# Altium PCB Brake Module B3 Sample.PcbDoc (part 2 of 2)
Units mm, origin at the board's own origin, x right, y up, seen from the top; angles counter-clockwise.
Board outline 75.57 x 84.84 mm, 4 copper layers (Top Layer, Int1 (PWR), Int2 (GND), Bottom Layer), stack 1.369 mm thick; 116 components, 86 nets, 453 pads, 299 vias.
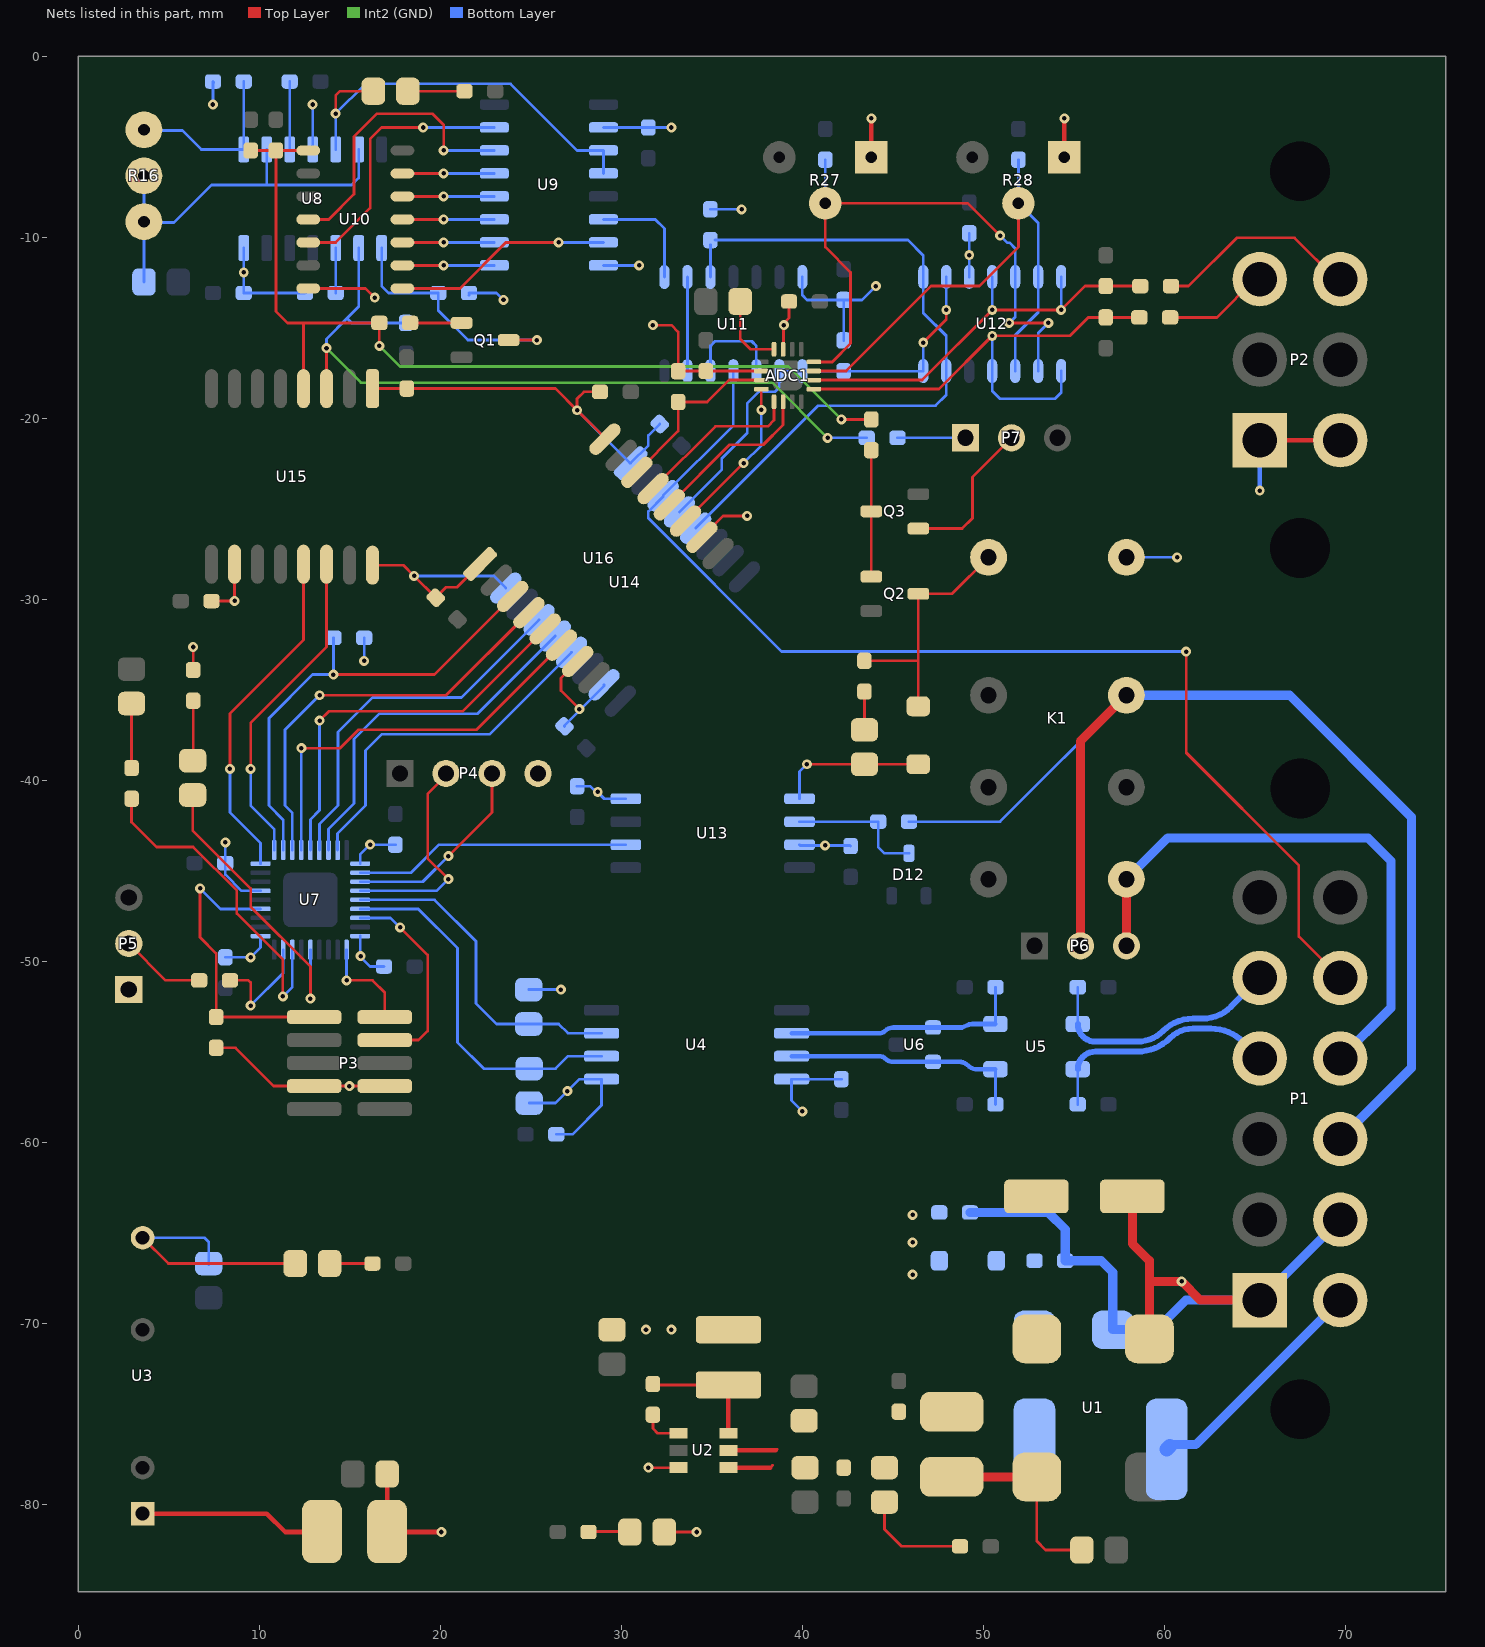
[diagram p4: the nets of this part, all layers, seen from the top]

## Via types
v1: diameter 0.55, hole 0.25, Top Layer to Bottom Layer, 299 vias

## Nets (pads, with @x,y where several pads share a name; then routed paths per layer and width w, separated by ;. In a path a pad name is that pad's centre, name@x,y a point inside that pad or via, vN(x,y) a via of type N, cw(c..) or ccw(c..) an arc to the next point about the centre after c; other vN are vias at no path point) (continued)
3V3: C16.2 C22.2 C23.2 C24.2 C25.2 C26.2 C43.2 C44.2 C46.2 C49.2 D5.A P3.7 P3.8 P4.4 P5.1 R6.2 R9.2 R10.2 R11.2 R34.2 U3.7 U4.1 U7.1 U7.6 U7.19 U7.27 U13.8 U14.10 U14.16 U15.10 U15.16 U16.1 U16.7 | length 75.6
  Top Layer w0.152: U3.7@3.556,-65.278 4.979,-66.701 D5.A@11.992,-66.701 ; R6.2@6.35,-33.909 v1(6.35,-32.639) ; C44.2@7.366,-30.099 7.368,-30.097 8.638,-30.097 v1(8.64,-30.095) 8.638,-30.093 8.638,-28.068 U15.10@8.636,-28.066 ; R11.2@7.62,-54.786 8.685,-54.786 10.795,-56.896 P3.7@13.036,-56.896 v1(14.986,-56.896) P3.8@16.936,-56.896 ; U15.16@16.256,-28.117 17.957,-28.117 v1(18.554,-28.714) C49.2@19.753,-29.913 20.329,-29.337 20.919,-29.337 U16.1@22.204,-28.052 ; U16.7@27.593,-33.44 26.67,-34.362 26.67,-35.052 v1(27.686,-36.068)
  Bottom Layer w0.152: U3.7@3.556,-65.278 6.981,-65.278 7.209,-65.506 C26.2@7.209,-66.749 ; C23.2@8.128,-49.784 v1(9.525,-49.784) 10.077,-49.232 U7.1@10.077,-48.609 ; v1(8.128,-43.434) 8.128,-45.212 9.025,-46.109 U7.6@10.077,-46.109 ; U7.27@15.577,-48.609 15.577,-49.74 16.129,-50.292 C25.2@16.891,-50.292 ; U7.19@15.577,-44.609 15.577,-44.113 v1(16.129,-43.561) C22.2@17.526,-43.561 ; v1(15.797,-33.401) R34.2@15.797,-32.131 ; v1(18.554,-28.714) 22.961,-28.714 U14.16@23.626,-29.379 ; R9.2@24.889,-51.565 R9.2@24.892,-51.567 v1(26.665,-51.567) ; R10.2@24.918,-57.834 26.367,-57.834 v1(27.027,-57.174) 27.686,-56.515 U4.1@28.913,-56.515 28.913,-57.955 27.305,-59.563 C16.2@26.416,-59.563 ; C46.2@26.865,-37.025 26.865,-36.971 29.05,-34.785 U14.10@29.05,-34.731 ; C43.2@27.559,-40.337 28.294,-40.337 28.597,-40.64 v1(28.702,-40.64) 28.702,-40.659 29.064,-41.021 U13.8@30.252,-41.021
  other v1: 15.601,-49.716
5kW: P1.8 U11.4 U14.3 | length 64.4
  Top Layer w0.152: v1(61.214,-32.893) 61.214,-38.481 67.437,-44.704 67.437,-48.631 P1.8@69.728,-50.922
  Bottom Layer w0.152: U11.4@36.195,-17.399 36.195,-20.402 U14.3@32.319,-24.278 32.319,-24.336 31.496,-25.159 31.496,-25.527 38.862,-32.893 v1(61.214,-32.893)
5V: ADC1.7 ADC1.10 C12.2 C15.2 C21.2 C28.2 C33.2 C34.2 C36.2 C37.2 C38.2 C42.2 C45.2 C47.2 C48.2 D4.A D10.A D11.K K1.16 L2.1 L3.2 P2.1 P2.6 R15.2 R17.2 R18.2 R23.2 R24.2 R25.2 R27.1 R28.1 U2.3 U4.8 U8.4 U8.14 U9.10 U9.16 U10.14 U11.14 U12.3 U13.1 U13.3 U14.1 U15.1 U16.10 U16.16 | length 110.1
  Top Layer w0.152: U10.14@12.707,-12.827 15.875,-12.827 v1(16.383,-13.335) ; U15.1@16.256,-18.364 C45.2@18.161,-18.364 26.365,-18.364 v1(27.559,-19.558) ; L3.2@17.04,-81.534 L3.2@17.067,-81.507 ; C48.2@28.829,-18.542 27.94,-18.542 27.559,-18.923 v1(27.559,-19.558) ; U16.16@29.101,-21.155 29.101,-21.1 v1(27.559,-19.558) ; v1(31.496,-77.978) U2.3@33.169,-77.978 ; v1(31.75,-14.859) 32.766,-14.859 33.147,-15.24 R23.2@33.147,-17.399 33.151,-17.395 34.672,-17.395 C33.2@34.676,-17.391 ADC1.10@37.74,-17.391 ; D4.A@32.38,-81.534 v1(34.163,-81.534) ; U16.10@34.453,-26.579 35.632,-25.4 v1(36.957,-25.4) ; ADC1.7@38.94,-16.191 38.965,-16.166 38.965,-14.883 v1(38.989,-14.859) 38.989,-14.751 39.272,-14.468 C34.2@39.272,-13.55 ; v1(40.259,-39.116) D10.A@43.434,-39.116 D11.K@46.355,-39.116
  Top Layer w0.254: L3.2@17.04,-81.534 v1(20.066,-81.534) ; L3.2@17.067,-81.507 C21.2@17.067,-78.333 ; R27.1@43.815,-5.588 v1(43.815,-3.429) ; R28.1@54.483,-5.588 v1(54.483,-3.429) ; P2.1@65.278,-21.214 P2.6@69.474,-21.214
  Bottom Layer w0.152: v1(7.444,-2.667) R15.2@7.444,-1.446 ; R15.2@7.444,-1.397 R15.2@7.493,-1.446 ; U8.14@9.144,-10.599 v1(9.144,-11.938) C28.2@9.144,-13.081 R17.2@12.524,-13.081 ; U8.4@12.954,-5.149 v1(12.954,-2.667) ; R18.2@21.58,-13.208 R18.2@21.59,-13.208 ; R18.2@21.59,-13.081 23.114,-13.081 v1(23.495,-13.462) ; v1(27.559,-19.558) 30.483,-22.482 U14.1@30.523,-22.482 31.496,-21.509 31.496,-20.955 C47.2@32.131,-20.32 ; U9.16@29.017,-11.557 v1(30.988,-11.557) ; U9.10@29.017,-3.937 C36.2@31.496,-3.937 v1(32.766,-3.937) ; R25.2@34.925,-8.46 v1(36.654,-8.46) ; U13.3@39.852,-43.561 39.891,-43.6 v1(41.262,-43.6) 42.633,-43.6 C42.2@42.672,-43.639 ; U13.1@39.852,-41.021 39.852,-39.523 v1(40.259,-39.116) ; v1(40.005,-58.293) 39.413,-57.701 U4.8@39.413,-56.515 C15.2@42.164,-56.515 ; U11.14@40.005,-12.199 40.005,-13.208 40.259,-13.462 C38.2@42.291,-13.462 ; R24.2@42.291,-15.699 C38.2@42.291,-13.462 ; v1(44.069,-12.7) 43.307,-13.462 C38.2@42.291,-13.462 ; U12.3@49.227,-12.192 C37.2@49.227,-9.779 ; K1.16@57.912,-27.686 v1(60.706,-27.686)
  Bottom Layer w0.254: P2.1@65.024,-21.468 P2.1@65.278,-21.214 ; v1(65.278,-24.003) P2.1@65.278,-21.468
  other v1: 31.369,-70.358 32.766,-70.358 49.227,-10.985
BOOT0: P5.2 R12.1 | length 4.7
  Top Layer w0.152: P5.2@2.794,-49.022 4.826,-51.054 R12.1@6.682,-51.054
"BPSD LATCH": R20.2 R31.1 U8.9 U15.3 | length 43.8
  Top Layer w0.152: U15.3@13.716,-18.364 v1(13.716,-16.129)
  Int2 (GND) w0.152: v1(13.716,-16.129) 15.621,-18.034 38.354,-18.034 v1(41.402,-21.082)
  Bottom Layer w0.152: v1(13.716,-16.129) 13.716,-15.621 14.859,-14.478 ; U8.9@15.494,-10.599 15.494,-13.843 14.859,-14.478 ; R20.2@18.112,-14.732 15.113,-14.732 14.859,-14.478 ; v1(41.402,-21.082) R31.1@43.561,-21.082
"BRAKE SIG 1": P2.4 R14.1 | length 11.1
  Top Layer w0.152: R14.1@60.374,-12.7 61.341,-12.7 64.008,-10.033 67.193,-10.033 P2.4@69.474,-12.314
"BRAKE SIG 2": P2.3 R19.1 | length 5.6
  Top Layer w0.152: R19.1@60.325,-14.429 62.909,-14.429 P2.3@65.024,-12.314
"Brake Signal 1": ADC1.2 C29.2 R14.2 U12.4 U12.7 | length 23.8
  Top Layer w0.152: ADC1.2@40.64,-17.891 46.625,-17.891 v1(50.497,-14.019) v1(54.307,-14.019) 55.626,-12.7 C29.2@56.769,-12.7 R14.2@58.674,-12.7
  Bottom Layer w0.152: v1(50.497,-14.019) U12.4@50.497,-12.192 ; v1(54.307,-14.019) U12.7@54.307,-12.192
"Brake Signal 2": ADC1.1 C32.2 R19.2 U12.8 U12.11 | length 28
  Top Layer w0.152: ADC1.1@40.64,-18.391 47.551,-18.391 v1(50.497,-15.445) 54.786,-15.445 55.802,-14.429 C32.2@56.769,-14.429 R19.2@58.625,-14.429
  Bottom Layer w0.152: v1(50.497,-15.445) U12.11@50.497,-17.392 50.497,-18.493 50.927,-18.923 53.975,-18.923 54.307,-18.591 U12.8@54.307,-17.392
"BSPD OK": C39.2 R22.1 R26.2 R30.1 U10.8 U15.4 | length 52.1
  Top Layer w0.152: C39.2@9.271,-5.207 R26.2@10.922,-5.207 ; U15.4@12.446,-18.364 12.446,-14.732 ; U10.8@12.707,-5.207 R26.2@10.922,-5.207 ; v1(16.637,-16.002) R22.1@16.637,-14.732 12.446,-14.732 ; v1(42.164,-20.066) R30.1@43.815,-20.066 ; R26.2@10.922,-5.207 10.922,-14.097 11.557,-14.732 12.446,-14.732
  Int2 (GND) w0.152: v1(16.637,-16.002) 17.78,-17.145 39.243,-17.145 v1(42.164,-20.066)
CAN1_N: C17.2 P1.5 U5.2 | length 13.8
  Bottom Layer w0.152: U5.2@55.223,-53.467 C17.2@55.223,-51.435
  Bottom Layer w0.33: U5.2@55.223,-53.467 ccw(c56.198,-53.467) 56.198,-54.442 58.51,-54.442 ccw(c58.51,-52.414) 59.944,-53.848 cw(c61.578,-55.482) 61.578,-53.171 62.103,-53.171 ccw(c62.103,-50.935) 63.684,-52.516 P1.5@65.278,-50.922
CAN1_P: C18.2 P1.4 U5.1 | length 13.5
  Bottom Layer w0.152: C18.2@55.223,-57.912 U5.1@55.223,-55.967
  Bottom Layer w0.33: U5.1@55.223,-55.967 cw(c56.198,-55.967) 56.198,-54.992 58.51,-54.992 ccw(c58.51,-52.414) 60.333,-54.237 cw(c61.578,-55.482) 61.578,-53.721 62.575,-53.721 cw(c62.575,-56.261) 64.371,-54.465 P1.4@65.278,-55.372
CAN_TX_INDC: R8.2 U7.34 | length 18.4
  Top Layer w0.152: R8.2@2.947,-41.021 2.947,-42.317 4.318,-43.688 6.35,-43.688 8.763,-46.101 8.763,-47.371 11.303,-49.911 v1(11.303,-51.943)
  Bottom Layer w0.152: v1(11.303,-51.943) 11.827,-51.419 U7.34@11.827,-49.359
CLOCK: D9.A U8.5 U9.11 U9.12 | length 23.4
  Top Layer w0.152: v1(14.224,-3.175) 14.224,-2.159 14.452,-1.931 D9.A@16.31,-1.931
  Bottom Layer w0.152: U8.5@14.224,-5.149 v1(14.224,-3.175) 15.875,-1.524 23.876,-1.524 27.559,-5.207 U9.11@29.017,-5.207 U9.12@29.017,-6.477
"CS (ADC)": ADC1.11 R23.1 U16.14 | length 9.9
  Top Layer w0.152: U16.14@30.861,-22.987 33.147,-20.701 R23.1@33.147,-19.099 34.749,-19.099 35.957,-17.891 ADC1.11@37.74,-17.891
GL_IN: K1.13 P1.10 P6.2 R32.2 | length 67.8
  Top Layer w0.5: P6.2@55.372,-49.149 55.372,-37.846 K1.13@57.912,-35.306
  Bottom Layer w0.152: R32.2@45.896,-42.291 50.927,-42.291 K1.13@57.912,-35.306
  Bottom Layer w0.5: K1.13@57.912,-35.306 66.929,-35.306 73.66,-42.037 73.66,-55.89 P1.10@69.728,-59.822
GL_IN_OK: U7.20 U13.6 | length 15.3
  Bottom Layer w0.152: U7.20@15.577,-45.109 18.391,-45.109 19.939,-43.561 U13.6@30.252,-43.561
GL_OUT: K1.9 P1.9 P6.3 | length 31.8
  Top Layer w0.5: P6.3@57.912,-49.149 K1.9@57.912,-45.466
  Bottom Layer w0.5: K1.9@57.912,-45.466 60.198,-43.18 71.247,-43.18 72.517,-44.45 72.517,-52.583 P1.9@69.728,-55.372
GLV+: F1.1 P1.12 | length 13
  Bottom Layer w0.5: F1.1@60.296,-76.798 60.383,-76.711 61.739,-76.711 P1.12@69.728,-68.722
  Bottom Layer w0.8: F1.1@60.132,-76.962 F1.1@60.296,-76.798
GLV-: C4.1 C5.1 C6.1 D3.K P1.1 P1.11 U1.4 | length 43.2
  Top Layer w0.5: C6.1@58.236,-62.992 58.236,-65.602 59.179,-66.545 U1.4@59.179,-70.866 ; 59.281,-67.691 v1(60.96,-67.691) 61.991,-68.722 P1.1@65.278,-68.722
  Bottom Layer w0.5: C5.1@49.274,-63.881 53.594,-63.881 54.532,-64.819 C4.1@54.532,-66.548 56.515,-66.548 57.156,-67.189 D3.K@57.156,-70.358 59.563,-70.358 61.199,-68.722 P1.1@65.278,-68.722 P1.11@69.728,-64.272
"H REF 1": ADC1.4 C40.2 R27.2 U12.5 U12.9 | length 34
  Top Layer w0.152: ADC1.4@40.64,-16.891 41.656,-16.891 42.672,-15.875 42.672,-11.938 41.275,-10.541 R27.2@41.275,-8.128 49.149,-8.128 v1(50.927,-9.906) ; v1(51.435,-14.732) v1(53.594,-14.732)
  Bottom Layer w0.152: R27.2@41.275,-8.128 C40.2@41.275,-5.715 ; v1(50.927,-9.906) 51.322,-10.301 51.449,-10.301 51.767,-10.619 U12.5@51.767,-12.192 51.767,-14.4 v1(51.435,-14.732) ; U12.9@53.037,-17.392 53.037,-15.289 v1(53.594,-14.732)
HB: D6.K U7.32 | length 16.7
  Top Layer w0.152: D6.K@6.324,-40.816 6.324,-42.773 9.525,-45.974 9.525,-46.99 12.827,-50.292 v1(12.827,-52.07)
  Bottom Layer w0.152: v1(12.827,-52.07) U7.32@12.827,-49.359
"L REF": ADC1.3 C41.2 R28.2 U12.6 U12.10 | length 29.2
  Top Layer w0.152: ADC1.3@40.64,-17.391 42.426,-17.391 47.117,-12.7 49.784,-12.7 51.943,-10.541 R28.2@51.943,-8.128
  Bottom Layer w0.152: U12.10@51.767,-17.392 51.767,-15.416 53.037,-14.146 U12.6@53.037,-12.192 53.037,-9.222 R28.2@51.943,-8.128 C41.2@51.943,-5.715
NetADC1_8: ADC1.8 C35.2 | length 4.2
  Top Layer w0.152: C35.2@36.576,-13.55 36.576,-15.621 37.146,-16.191 ADC1.8@38.44,-16.191
NetADC1_12: ADC1.12 U16.11 | length 9
  Top Layer w0.152: U16.11@33.555,-25.681 v1(36.757,-22.479) ; v1(37.74,-19.537) ADC1.12@37.74,-18.391
  Bottom Layer w0.152: v1(36.757,-22.479) 37.74,-21.496 v1(37.74,-19.537)
NetADC1_13: ADC1.13 U16.13 | length 9.3
  Top Layer w0.152: U16.13@31.759,-23.885 35.197,-20.447 38.1,-20.447 38.44,-20.107 ADC1.13@38.44,-19.091
NetADC1_14: ADC1.14 U16.12 | length 9.4
  Top Layer w0.152: U16.12@32.657,-24.783 35.977,-21.463 37.846,-21.463 38.94,-20.369 ADC1.14@38.94,-19.091
NetC1_2: C1.2 L1.2 U1.2 | length 11.2
  Top Layer w0.152: U1.2@52.959,-78.486 52.959,-82.042 53.441,-82.524 C1.2@55.45,-82.524
  Top Layer w0.5: L1.2@48.409,-78.486 U1.2@53.34,-78.486
NetC4_2: C4.2 D1.A D3.A F1.2
NetC11_1: C11.1 L2.2 U2.6 | length 6.9
  Top Layer w0.152: C11.1@31.75,-73.357 31.8,-73.407 L2.2@35.919,-73.407
  Top Layer w0.254: U2.6@35.919,-76.078 L2.2@35.919,-73.407
NetC11_2: C11.2 U2.1 | length 2.2
  Top Layer w0.152: C11.2@31.75,-75.107 31.75,-75.819 32.009,-76.078 U2.1@33.169,-76.078
NetC19_2: C19.2 U4.6 U5.3 U6.1 | length 13.4
  Bottom Layer w0.152: U5.3@50.673,-53.467 C19.2@50.673,-51.435
  Bottom Layer w0.254: U4.6@39.413,-53.975 44.27,-53.975 ccw(c44.27,-53.541) 44.577,-53.848 cw(c45.031,-54.302) 45.031,-53.66 U6.1@47.228,-53.66 48.842,-53.66 49.126,-53.528 cw(c49.403,-54.126) 49.403,-53.467 U5.3@50.673,-53.467
NetC20_2: C20.2 U4.7 U5.4 U6.2 | length 13.4
  Bottom Layer w0.152: C20.2@50.673,-57.912 U5.4@50.673,-55.967
  Bottom Layer w0.254: U4.7@39.413,-55.245 44.27,-55.245 cw(c44.27,-55.679) 44.577,-55.372 ccw(c45.031,-54.918) 45.031,-55.56 U6.2@47.228,-55.56 48.681,-55.56 48.683,-55.56 cw(c48.683,-56.219) 49.149,-55.753 ccw(c49.666,-55.236) 49.665,-55.967 50.223,-55.967 U5.4@50.673,-55.967
NetC31_2: C31.2 U8.3 | length 3.8
  Bottom Layer w0.152: U8.3@11.684,-5.149 C31.2@11.684,-1.397
NetD2_K: D2.K R1.2 | length 6.1
  Top Layer w0.152: D2.K@44.551,-79.878 44.551,-81.381 45.492,-82.322 R1.2@48.719,-82.322
NetD4_K: D4.K R2.2 | length 2.7
  Top Layer w0.152: R2.2@28.067,-81.534 28.091,-81.51 D4.K@30.736,-81.51
NetD5_K: D5.K R3.2 | length 2.4
  Top Layer w0.152: D5.K@13.892,-66.701 R3.2@16.256,-66.701
NetD6_A: D6.A R6.1 | length 3.3
  Top Layer w0.152: D6.A@6.35,-38.89 R6.1@6.35,-35.609
NetD8_A: D8.A R8.1 | length 3.6
  Top Layer w0.152: R8.1@2.947,-39.321 D8.A@2.947,-35.76
NetD9_K: D9.K R21.2 | length 3.2
  Top Layer w0.152: D9.K@18.21,-1.931 20.965,-1.931 21.219,-1.677 R21.2@21.336,-1.677
NetD10_K: D10.K R29.2 | length 2.1
  Top Layer w0.152: D10.K@43.434,-37.216 R29.2@43.434,-35.101
NetD11_A: D11.A K1.1 Q2.D R29.1 | length 13.9
  Top Layer w0.152: R29.1@43.434,-33.401 46.415,-33.401 ; D11.A@46.415,-35.916 46.415,-33.401 ; K1.1@50.292,-27.686 48.279,-29.699 Q2.D@46.415,-29.699 46.415,-33.401
NetD12_K: D12.K R32.1 U13.2 | length 7.6
  Bottom Layer w0.152: U13.2@39.852,-42.291 R32.1@44.196,-42.291 44.196,-43.688 44.545,-44.037 D12.K@45.896,-44.037
NetL3_1: L3.1 U3.1 | length 10.3
  Top Layer w0.254: U3.1@3.556,-80.518 10.414,-80.518 11.43,-81.534 L3.1@13.44,-81.534
NetP7_1: P7.1 R31.2 | length 3.8
  Bottom Layer w0.152: R31.2@45.261,-21.082 P7.1@49.022,-21.082
NetP7_2: P7.2 Q3.G | length 8.6
  Top Layer w0.152: Q3.G@46.415,-26.096 48.834,-26.096 49.403,-25.527 49.403,-23.241 P7.2@51.562,-21.082
NetQ1_D: Q1.D R18.1 U8.8 | length 14
  Top Layer w0.152: Q1.D@23.779,-15.682 v1(25.339,-15.682)
  Bottom Layer w0.152: U8.8@16.764,-10.599 16.764,-12.7 17.145,-13.081 R18.1@19.89,-13.081 19.89,-14.048 21.524,-15.682 v1(25.339,-15.682)
NetQ1_G: Q1.G R22.2 | length 2.8
  Top Layer w0.152: R22.2@18.337,-14.732 Q1.G@21.179,-14.732
NetQ2_G: Q2.G Q3.D R30.2 | length 7
  Top Layer w0.152: Q2.G@43.815,-28.749 Q3.D@43.815,-25.146 R30.2@43.815,-21.766
NetR9_1: R9.1 U4.3 U7.23 | length 18.4
  Bottom Layer w0.152: U7.23@15.577,-46.609 19.685,-46.609 21.971,-48.895 21.971,-52.324 23.114,-53.467 R9.1@24.892,-53.467 26.543,-53.467 27.051,-53.975 U4.3@28.913,-53.975
NetR10_1: R10.1 U4.2 U7.24 | length 20.3
  Bottom Layer w0.152: U7.24@15.577,-47.109 18.788,-47.109 20.955,-49.276 20.955,-54.483 22.406,-55.934 R10.1@24.918,-55.934 26.362,-55.934 27.051,-55.245 U4.2@28.913,-55.245
NetR12_2: R12.2 U7.35 | length 6.3
  Top Layer w0.152: R12.2@8.382,-51.054 9.398,-51.054 9.525,-51.181 v1(9.525,-52.451)
  Bottom Layer w0.152: v1(9.525,-52.451) 11.327,-50.649 U7.35@11.327,-49.359
NetR15_1: R15.1 R16.1 U8.1 | length 9.7
  Bottom Layer w0.152: R16.1@3.632,-4.105 5.756,-4.105 6.8,-5.149 U8.1@9.144,-5.149 R15.1@9.144,-1.397
NetR17_1: R17.1 U8.10 | length 2.5
  Bottom Layer w0.152: R17.1@14.224,-13.081 U8.10@14.224,-10.599
NetR24_1: R24.1 U11.1 U11.2 U12.2 U12.14 U14.4 | length 24.3
  Top Layer w0.152: v1(46.687,-15.826) 47.957,-14.556 v1(47.957,-14.019)
  Bottom Layer w0.152: U14.4@33.217,-25.176 35.56,-22.833 35.56,-22.606 35.554,-22.6 35.554,-22.231 36.957,-20.828 36.957,-19.177 37.592,-18.542 38.481,-18.542 38.735,-18.288 U11.2@38.735,-17.399 U11.1@40.005,-17.399 R24.1@42.291,-17.399 46.68,-17.399 U12.14@46.687,-17.392 v1(46.687,-15.826) ; v1(47.957,-14.019) U12.2@47.957,-12.192
NetR25_1: R25.1 U11.10 U12.1 U12.13 U14.5 | length 38.8
  Bottom Layer w0.152: U14.5@34.115,-26.074 40.885,-19.304 47.371,-19.304 47.957,-18.718 U12.13@47.957,-17.392 47.957,-15.445 46.687,-14.175 U12.1@46.687,-12.192 46.687,-11 45.847,-10.16 R25.1@35.179,-10.16 ; U11.10@34.925,-12.199 R25.1@34.925,-10.414
NetR34_1: R34.1 U7.11 U16.3 | length 25.9
  Top Layer w0.152: v1(14.097,-34.163) 19.685,-34.163 U16.3@24,-29.848
  Bottom Layer w0.152: U7.11@11.327,-43.859 11.327,-42.188 10.541,-41.402 10.541,-36.576 12.954,-34.163 v1(14.097,-34.163) R34.1@14.097,-32.131
NetU7_9: U7.9 U15.13 | length 18.9
  Top Layer w0.152: v1(8.382,-39.37) 8.382,-36.322 12.446,-32.258 U15.13@12.446,-28.066
  Bottom Layer w0.152: v1(8.382,-39.37) 8.382,-41.783 10.077,-43.478 U7.9@10.077,-44.609
NetU7_10: U7.10 U15.14 | length 18.1
  Top Layer w0.152: v1(9.525,-39.37) 9.525,-36.83 13.716,-32.639 U15.14@13.716,-28.066
  Bottom Layer w0.152: v1(9.525,-39.37) 9.525,-41.402 10.827,-42.704 U7.10@10.827,-43.859
NetU7_12: U7.12 U16.4 | length 23
  Top Layer w0.152: v1(13.335,-35.306) 20.329,-35.306 24.889,-30.746 U16.4@24.898,-30.746
  Bottom Layer w0.152: U7.12@11.827,-43.859 11.827,-41.799 11.43,-41.402 11.43,-37.211 v1(13.335,-35.306)
NetU7_13: U7.13 U16.6 | length 22.4
  Top Layer w0.152: v1(12.327,-38.227) 14.478,-38.227 15.494,-37.211 22.002,-37.211 26.671,-32.542 U16.6@26.695,-32.542
  Bottom Layer w0.152: U7.13@12.327,-43.859 v1(12.327,-38.227)
NetU7_14: U7.14 U16.5 | length 21.9
  Top Layer w0.152: v1(13.335,-36.703) 13.843,-36.195 21.227,-36.195 25.778,-31.644 U16.5@25.796,-31.644
  Bottom Layer w0.152: U7.14@12.827,-43.859 12.827,-42.164 13.335,-41.656 v1(13.335,-36.703)
NetU7_15: U7.15 U14.14 | length 20.6
  Bottom Layer w0.152: U7.15@13.327,-43.859 13.327,-42.426 14.351,-41.402 14.351,-37.338 16.256,-35.433 21.164,-35.433 U14.14@25.458,-31.139
NetU7_16: U7.16 U14.13 | length 20.2
  Bottom Layer w0.152: U7.16@13.827,-43.859 13.827,-42.688 15.24,-41.275 15.24,-37.719 16.637,-36.322 22.071,-36.322 U14.13@26.356,-32.037
NetU7_17: U7.17 U14.12 | length 19.8
  Bottom Layer w0.152: U7.17@14.327,-43.859 U7.17@14.327,-43.859 14.329,-42.948 15.875,-41.402 15.875,-38.354 16.764,-37.465 22.724,-37.465 U14.12@27.254,-32.935
NetU9_1: U9.1 U10.2 | length 5.1
  Top Layer w0.152: U10.2@17.907,-11.557 v1(20.193,-11.557)
  Bottom Layer w0.152: v1(20.193,-11.557) U9.1@22.987,-11.557
NetU9_2: U9.2 U10.3 | length 5.1
  Top Layer w0.152: U10.3@17.907,-10.287 v1(20.193,-10.287)
  Bottom Layer w0.152: v1(20.193,-10.287) U9.2@22.987,-10.287
NetU9_3: U9.3 U10.4 | length 5.1
  Top Layer w0.152: U10.4@17.907,-9.017 v1(20.193,-9.017)
  Bottom Layer w0.152: v1(20.193,-9.017) U9.3@22.987,-9.017
NetU9_4: U9.4 U10.5 | length 5.1
  Top Layer w0.152: U10.5@17.907,-7.747 v1(20.193,-7.747)
  Bottom Layer w0.152: v1(20.193,-7.747) U9.4@22.987,-7.747
NetU9_5: U9.5 U10.6 | length 5.1
  Top Layer w0.152: U10.6@17.907,-6.477 v1(20.193,-6.477)
  Bottom Layer w0.152: v1(20.193,-6.477) U9.5@22.987,-6.477
NetU9_6: U9.6 U10.11 | length 16.2
  Top Layer w0.152: U10.11@12.707,-9.017 13.843,-9.017 15.24,-7.62 15.24,-4.445 16.51,-3.175 19.558,-3.175 20.193,-3.81 v1(20.193,-5.207)
  Bottom Layer w0.152: v1(20.193,-5.207) U9.6@22.987,-5.207
NetU9_7: U9.7 U10.12 | length 15.1
  Top Layer w0.152: U10.12@12.707,-10.287 14.224,-10.287 16.129,-8.382 16.129,-4.572 16.764,-3.937 v1(19.05,-3.937)
  Bottom Layer w0.152: v1(19.05,-3.937) U9.7@22.987,-3.937
NetU9_14: U9.14 U11.8 | length 6.3
  Bottom Layer w0.152: U9.14@29.017,-9.017 31.877,-9.017 32.385,-9.525 U11.8@32.385,-12.199
NetU9_15: U9.15 U10.1 | length 12.2
  Top Layer w0.152: U10.1@17.907,-12.827 21.082,-12.827 23.622,-10.287 v1(26.543,-10.287)
  Bottom Layer w0.152: v1(26.543,-10.287) U9.15@29.017,-10.287
NetU11_3: U11.3 U11.5 | length 5.5
  Bottom Layer w0.152: U11.5@34.925,-17.399 34.925,-16.002 35.179,-15.748 37.211,-15.748 37.465,-16.002 U11.3@37.465,-17.399
NetU11_6: U11.6 U11.9 | length 5.2
  Bottom Layer w0.152: U11.6@33.655,-17.399 U11.9@33.655,-12.199
NRST: P3.1 R11.1 U7.4 | length 16.7
  Top Layer w0.152: v1(6.731,-45.974) 6.731,-48.674 7.62,-49.563 R11.1@7.62,-53.086 P3.1@13.036,-53.086
  Bottom Layer w0.152: v1(6.731,-45.974) 7.866,-47.109 U7.4@10.077,-47.109
SWCLK: P3.2 U7.28 | length 5.4
  Top Layer w0.152: v1(14.827,-51.054) 16.256,-51.054 16.936,-51.734 P3.2@16.936,-53.086
  Bottom Layer w0.152: v1(14.827,-51.054) U7.28@14.827,-49.359
SWDIO: P3.4 U7.25 | length 11.3
  Top Layer w0.152: P3.4@16.936,-54.356 18.796,-54.356 19.304,-53.848 19.304,-49.657 v1(17.78,-48.133)
  Bottom Layer w0.152: U7.25@15.577,-47.609 17.256,-47.609 v1(17.78,-48.133)
Trig/Thres: C30.2 R16.2 R16.3 U8.2 U8.6 | length 22.3
  Bottom Layer w0.152: C30.2@3.632,-12.472 R16.3@3.632,-9.185 ; R16.2@3.632,-6.645 R16.3@3.632,-9.185 ; U8.2@10.414,-5.149 10.414,-7.112 ; U8.6@15.494,-5.149 15.494,-6.731 15.113,-7.112 10.414,-7.112 ; R16.3@3.632,-9.185 5.293,-9.185 7.366,-7.112 10.414,-7.112
UART_RX: P4.2 U7.22 | length 11.9
  Top Layer w0.152: P4.2@20.32,-39.624 20.32,-39.737 19.304,-40.753 19.304,-44.323 v1(20.447,-45.466)
  Bottom Layer w0.152: U7.22@15.577,-46.109 19.804,-46.109 v1(20.447,-45.466)
UART_TX: P4.3 U7.21 | length 11
  Top Layer w0.152: v1(20.447,-44.196) 22.86,-41.783 P4.3@22.86,-39.624
  Bottom Layer w0.152: U7.21@15.577,-45.609 19.034,-45.609 v1(20.447,-44.196)
VBAT_D: C5.2 C6.2 D1.K U1.1
  other v1: 46.101,-67.31 46.101,-65.532 46.101,-64.008
VBAT_F: C2.2 C3.2 C7.2 C8.2 D2.A L1.1 U2.4 U2.5 | length 5.2
  Top Layer w0.152: 38.227,-77.978 38.354,-77.851 ; 38.542,-77.028 38.608,-76.962
  Top Layer w0.254: U2.4@35.919,-77.978 38.227,-77.978 ; U2.5@35.919,-77.028 38.542,-77.028
pads on no net: ADC1.5 ADC1.6 ADC1.15 ADC1.16 D12.2 K1.4 K1.6 K1.8 K1.11 P1.0 P1.2 P1.3 P1.6 P1.7 P2.0 P3.3 P3.9 P3.10 P6.1 P7.3 U7.2 U7.3 U7.7 U7.8 U7.29 U7.30 U7.31 U7.33 U8.11 U8.13 U9.9 U10.9 U10.10 U10.13 U11.11 U11.12 U11.13 U14.6 U14.7 U14.11 U15.5 U15.6 U15.7 U15.11 U15.12

## Polygon pours and split planes (outlines as drawn)
5V on Top Layer "5V_TOP_1" (solid, pour order 15): 30.226,-70.993 30.48,-71.247 37.846,-71.247 38.1,-70.993 38.1,-69.723 37.601,-69.224 30.723,-69.224 30.351,-69.596 28.829,-69.596 28.575,-69.85 28.575,-70.866 28.702,-70.993
0V on Top Layer "0V_TOP" (solid, remove dead copper, pour order 30): 0,-77.089 19.685,-77.089 38.227,-58.547 38.227,-32.639 25.273,-19.685 0,-19.685 0,0 75.565,0 75.565,-84.836 0,-84.836
VBAT_F on Top Layer "5V_TOP_1" (solid, pour order 22): 45.339,-78.74 45.593,-78.486 45.593,-76.835 46.355,-76.073 49.911,-76.073 50.165,-75.819 50.165,-73.914 49.911,-73.66 46.482,-73.66 46.228,-73.914 46.228,-74.168 45.974,-74.422 44.45,-74.422 43.815,-73.787 38.227,-73.787 37.973,-74.041 37.973,-78.105 38.608,-78.74
0V_(ISO) on Top Layer "0V_ISO_TOP" (solid, remove dead copper, pour order 28): 0,-71.247 16.891,-71.247 31.496,-56.642 31.496,-35.433 22.86,-26.797 0,-26.797
VBAT_D on Top Layer "VBAT_D_TOP" (solid, pour order 19): 45.212,-62.484 45.847,-61.849 54.737,-61.849 54.991,-62.103 54.991,-64.516 54.483,-65.151 54.483,-72.009 54.102,-72.39 49.403,-72.39 45.212,-68.199
0V on Bottom Layer "0V_BOT" (solid, remove dead copper, pour order 27): 0,-77.089 19.685,-77.089 38.227,-58.547 38.227,-32.639 25.273,-19.685 0,-19.685 0,0 75.565,0 75.565,-84.836 0,-84.836
0V_(ISO) on Bottom Layer "0V_(ISO)_BOT" (solid, remove dead copper, pour order 25): 0,-71.247 16.891,-71.247 31.496,-56.642 31.496,-35.433 22.86,-26.797 0,-26.797
VBAT_D on Bottom Layer "VBAT_D_BOT" (solid, pour order 3): 48.133,-63.246 47.625,-62.738 45.72,-62.738 45.212,-63.246 45.212,-67.818 45.72,-68.326 47.498,-68.326 48.133,-67.691
NetC4_2 on Bottom Layer "NetC4_2_BOT" (solid, pour order 5): 51.943,-79.883 53.721,-79.883 53.975,-79.629 53.975,-68.326 53.34,-67.691 53.34,-65.913 53.086,-65.659 50.419,-65.659 50.165,-65.913 50.165,-67.31 51.435,-68.58 51.435,-79.375 51.689,-79.629
5V on Int1 (PWR) "5V_PWR" (solid, remove dead copper, pour order 29): 1.651,-78.74 19.558,-78.74 40.005,-58.293 40.005,-32.639 26.162,-18.796 1.651,-18.796 1.651,-1.397 74.041,-1.397 74.041,-83.312 1.651,-83.312
3V3 on Int1 (PWR) "3V3_PWR" (solid, remove dead copper, pour order 23): 1.524,-68.961 16.891,-68.961 29.845,-56.007 29.845,-35.433 22.733,-28.321 1.524,-28.321
0V on Int2 (GND) "0V_GND" (solid, remove dead copper, pour order 26): 0,-77.089 19.685,-77.089 38.227,-58.547 38.227,-32.639 25.273,-19.685 0,-19.685 0,0 75.565,0 75.565,-84.836 0,-84.836
0V_(ISO) on Int2 (GND) "0V_(ISO)_GND" (solid, remove dead copper, pour order 24): 0,-71.247 16.891,-71.247 31.496,-56.642 31.496,-35.433 22.86,-26.797 0,-26.797

## Keep-outs
Int1 (PWR):
  rectangle: 37.211,-22.098 43.307,-15.875

## Silkscreen, mask and mechanical layers (free items; w line width, h text height)
Top Overlay:
  lines w0.152: 0,-77.089 12.954,-77.089 18.161,-77.089 19.685,-77.089 ; 0,-71.247 12.954,-71.247 16.891,-71.247 20.828,-67.31 21.082,-67.056 31.496,-56.642 31.496,-40.259 31.496,-36.195 31.496,-35.433 31.369,-35.306 22.804,-26.741 17.069,-26.741 ; 0.056,-26.741 6.604,-26.741 ; 0.056,-19.741 6.604,-19.741 25.329,-19.741 35.814,-30.226 38.227,-32.639 38.227,-35.814 38.227,-58.547 25.146,-71.628 19.685,-77.089 ; 19.685,-77.089 19.685,-77.089
  text "LOW REF" at 57.269,-3.037 h1.8
  text "HIGH REF" at 27.932,-6.72 h1.8
  text "LATCH TOGGLE" at 50.284,-25.008 h1.8
  text "CAN" at 3.418,-31.758 h1.8 r90
  text "HB" at 10.803,-43.442 h1.8 r90
  text "UART" at 24.503,-43.804 h1.8
  text "BSPD" at 46.22,-49.773 h1.8
  text "BOOT" at 1.516,-55.361 h1.8
  text "JTAG" at 18.404,-61.457 h1.8
  text "3.3V" at 11.93,-70.093 h1.8
  text "5V" at 34.409,-82.158 h1.8
  text "24V" at 60.189,-83.066 h1.8
Bottom Overlay:
  drawing of 39 lines, arcs and shapes, not listed
  text "Brake Module B5" at 43.561,-82.029 h1.5
  text "23/06/2024" at 43.561,-83.604 h1.5
  text "L.D" at 43.561,-84.954 h1.5
Mechanical 1:
  lines w0.152: 75.565,0 75.565,-2.921 75.565,-84.836 70.739,-84.836 0,-84.836 0,-82.804 0,-79.756 0,-56.007 0,0 69.469,0 70.612,0 75.565,0 ; 75.565,0 75.565,0
Drill Drawing:
  circle w0.254: c-61.579,41.55 r0.508
  circle w0.254: c-61.579,41.55 r0.847
  circle w0.254: c-61.579,30.12 r0.847
  lines w0.254: -62.426,25.463 -62.426,25.887 -62.002,26.31 -62.426,26.733 -62.426,27.157 -62.002,27.157 -61.579,26.733 -61.156,27.157 -60.732,27.157 -60.732,26.733 -61.156,26.31 -60.732,25.887 -60.732,25.463 -61.156,25.463 -61.579,25.887 -62.002,25.463 -62.426,25.463 ; -62.426,33.084 -60.732,33.084 -60.732,34.777 -62.426,34.777 -62.426,33.084 ; -62.426,38.587 -60.732,38.587 -61.579,36.893 -62.426,38.587 ; -62.426,44.514 -60.732,44.514 -60.732,46.207 -62.426,46.207 -62.426,44.514 ; -62.426,48.747 -62.002,48.747 -62.002,48.323 -61.156,48.323 -61.156,48.747 -60.732,48.747 -60.732,49.593 -61.156,49.593 -61.156,50.017 -62.002,50.017 -62.002,49.593 -62.426,49.593 -62.426,48.747 ; -62.087,33.422 -61.071,33.422 -61.071,34.438 -62.087,34.438 -62.087,33.422
  lines w0.381: -63.944,24.32 207.608,24.32 ; -63.944,50.99 207.608,50.99 ; -49.952,20.511 -49.952,54.8 ; -34.716,20.511 -34.716,54.8 ; -5.515,20.511 -5.515,54.8 ; 7.334,20.511 7.334,54.8 ; 25.973,20.511 25.973,54.8 ; 64.062,20.511 64.062,54.8 ; 79.044,20.511 79.044,54.8 ; 97.987,20.511 97.987,54.8 ; 117.032,20.511 117.032,54.8 ; 138.717,20.511 138.717,54.8 ; 172.591,20.511 172.591,54.8 ; -63.944,20.511 207.608,20.511 207.608,54.8 -63.944,54.8 -63.944,20.511
  text "Symbol" at -61.658,52.133 h1.83
  text "Count" at -48.809,52.133 h1.83
  text "Hole Size" at -33.573,52.133 h1.83
  text "Plated" at -4.372,52.133 h1.83
  text "Hole Type" at 8.477,52.133 h1.83
  text "Drill Layer Pair" at 27.116,52.133 h1.83
  text "Via/Pad" at 65.205,52.133 h1.83
  text "Pad Shape" at 80.187,52.133 h1.83
  text "Template" at 99.13,52.133 h1.83
  text "Description" at 118.175,52.133 h1.83
  text "Hole Tolerance (+)" at 139.86,52.133 h1.83
  text "Hole Tolerance (-)" at 173.734,52.133 h1.83
  text "3" at -48.809,48.323 h1.52
  text "0.640mm (25.20mil)" at -33.573,48.323 h1.52
  text "PTH" at -4.372,48.323 h1.52
  text "Round" at 8.477,48.323 h1.52
  text "Top Layer - Bottom Layer" at 27.116,48.323 h1.52
  text "Pad" at 65.205,48.323 h1.52
  text "Rounded" at 80.187,48.323 h1.52
  text "c203h64x220" at 99.13,48.323 h1.52
  text "4" at -48.809,44.514 h1.52
  text "0.760mm (29.92mil)" at -33.573,44.514 h1.52
  text "PTH" at -4.372,44.514 h1.52
  text "Round" at 8.477,44.514 h1.52
  text "Top Layer - Bottom Layer" at 27.116,44.514 h1.52
  text "Pad" at 65.205,44.514 h1.52
  text "(Mixed)" at 80.187,44.514 h1.52
  text "(Mixed)" at 99.13,44.514 h1.52
  text "4" at -48.809,40.703 h1.52
  text "3.300mm (129.92mil)" at -33.573,40.703 h1.52
  text "NPTH" at -4.372,40.703 h1.52
  text "Round" at 8.477,40.703 h1.52
  text "Top Layer - Bottom Layer" at 27.116,40.703 h1.52
  text "Pad" at 65.205,40.703 h1.52
  text "Rounded" at 80.187,40.703 h1.52
  text "c300hn330" at 99.13,40.703 h1.52
  text "6" at -48.809,36.893 h1.52
  text "0.630mm (24.80mil)" at -33.573,36.893 h1.52
  text "PTH" at -4.372,36.893 h1.52
  text "Round" at 8.477,36.893 h1.52
  text "Top Layer - Bottom Layer" at 27.116,36.893 h1.52
  text "Pad" at 65.205,36.893 h1.52
  text "(Mixed)" at 80.187,36.893 h1.52
  text "(Mixed)" at 99.13,36.893 h1.52
  text "18" at -48.809,33.084 h1.52
  text "1.900mm (74.80mil)" at -33.573,33.084 h1.52
  text "PTH" at -4.372,33.084 h1.52
  text "Round" at 8.477,33.084 h1.52
  text "Top Layer - Bottom Layer" at 27.116,33.084 h1.52
  text "Pad" at 65.205,33.084 h1.52
  text "(Mixed)" at 80.187,33.084 h1.52
  text "(Mixed)" at 99.13,33.084 h1.52
  text "21" at -48.809,29.273 h1.52
  text "0.900mm (35.43mil)" at -33.573,29.273 h1.52
  text "PTH" at -4.372,29.273 h1.52
  text "Round" at 8.477,29.273 h1.52
  text "Top Layer - Bottom Layer" at 27.116,29.273 h1.52
  text "Pad" at 65.205,29.273 h1.52
  text "(Mixed)" at 80.187,29.273 h1.52
  text "(Mixed)" at 99.13,29.273 h1.52
  text "299" at -48.809,25.463 h1.52
  text "0.250mm (9.84mil)" at -33.573,25.463 h1.52
  text "PTH" at -4.372,25.463 h1.52
  text "Round" at 8.477,25.463 h1.52
  text "Top Layer - Bottom Layer" at 27.116,25.463 h1.52
  text "Via" at 65.205,25.463 h1.52
  text "Rounded" at 80.187,25.463 h1.52
  text "v55h25" at 99.13,25.463 h1.52
  text "355 Total" at -48.809,21.653 h1.52
  text "FABRICATION NOTES" at 108.267,-13.211 h3
  text "1. QUANTITY: 5" at 108.267,-18.307 h3
  text "2. SIZE: 84mm x 76mm" at 108.267,-23.404 h3
  text "3. LAYERS: 4" at 108.267,-28.5 h3
  text "4. COPPER WEIGHT: Outer Layers: 2oz, Internal Layers: 1oz" at 108.267,-32.597 h3
  text "5. SOLDER MASK: White" at 108.492,-37.457 h3
  text "6. SILKSCREEN: Black" at 108.492,-42.554 h3
  text "7. SURFACE FINISH: ENIG" at 108.492,-47.65 h3
  text "8. TOTAL THICKNESS: 1.6mm" at 107.982,-52.608 h3
  text "9. VIAS: TENTED" at 108.282,-57.533 h3

## Dimensions
0,-84.836 to 0,0 on Drill Drawing
0,0 to 75.565,0 on Drill Drawing

## Text inside footprints (layer, text, board x,y; h text height)
C6: Top Overlay "+" at 61.182,-66.492 h1.52 r180